# Altium PCB MAIN_BOARD_V3.PcbDoc (part 2 of 4) (continued)
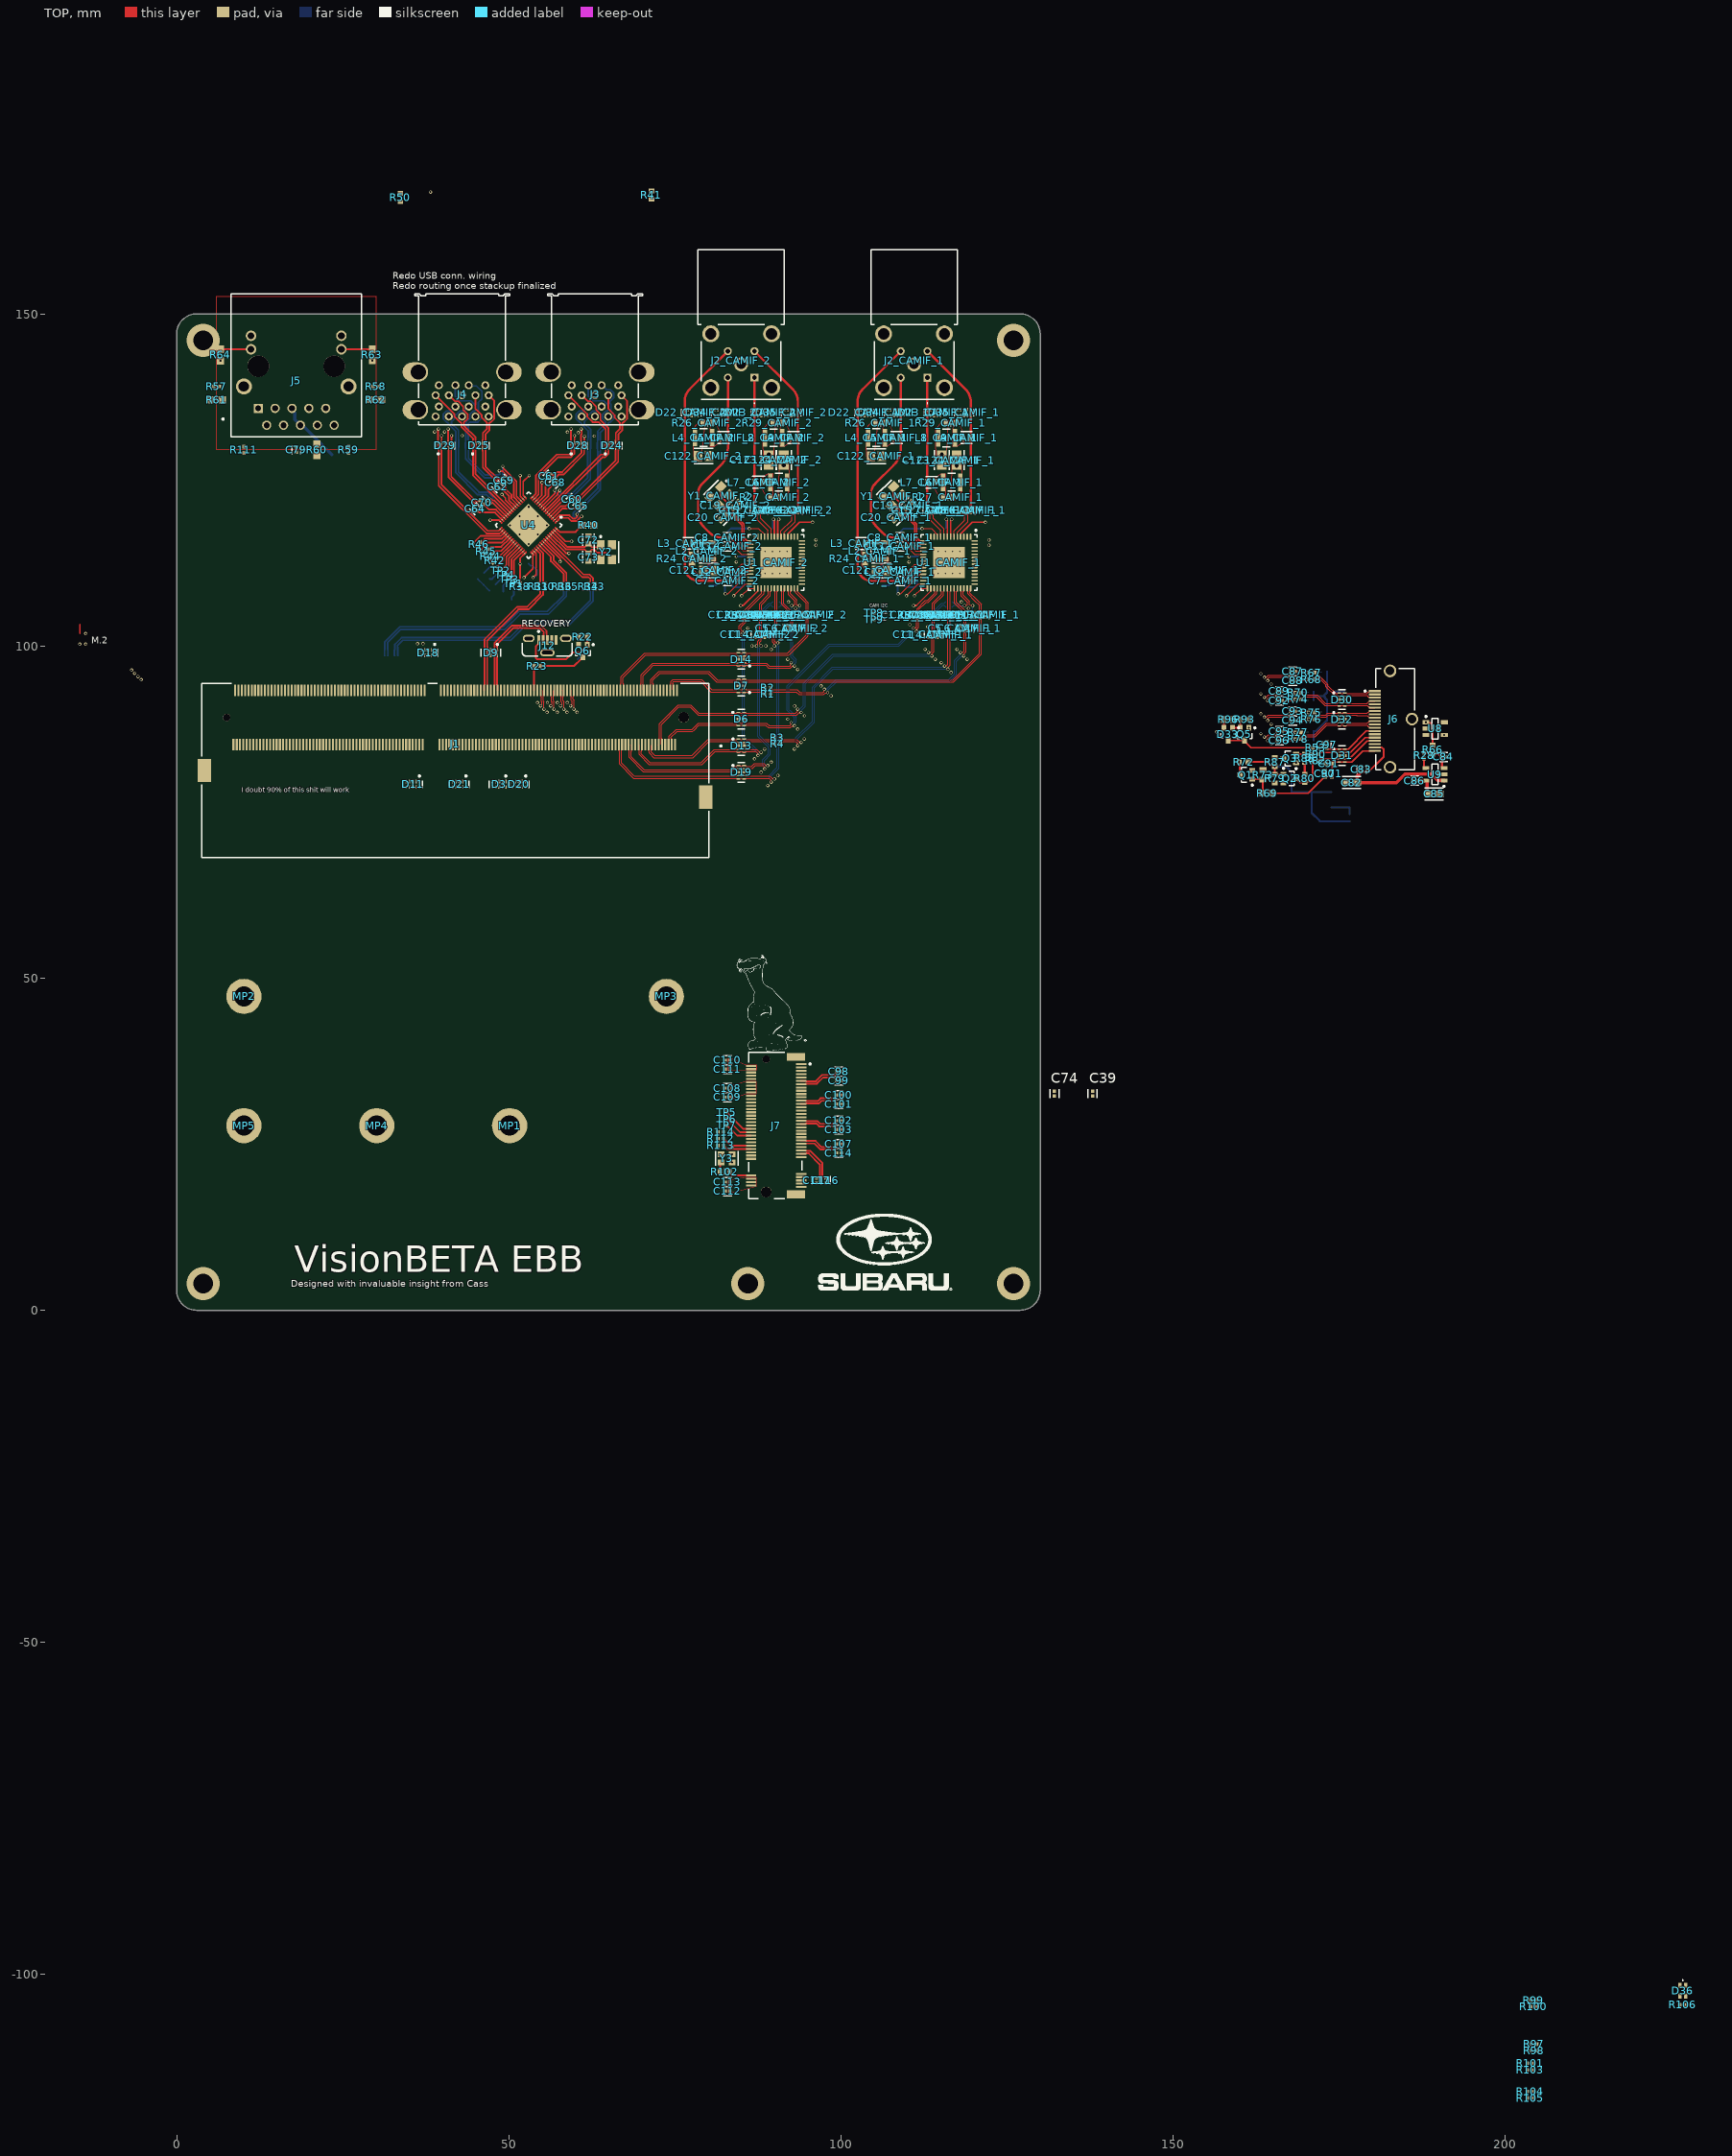
[diagram p0: TOP view]
## Footprints (in the part's own frame and the unit in brackets; to place one, negate y for a bottom-side part, rotate by r counter-clockwise, add the part's x,y. Pads: shape width x height; smd on the part's side, far side on the other; paste and mask are expansions set on the pad) (continued)
  TOP region: -2.313,-3.775 -2.313,-3.137 -2.304,-3.094 -2.28,-3.058 -2.243,-3.034 -2.2,-3.025 -2.2,-3.025 -2.157,-3.034 -2.12,-3.058 -2.096,-3.094 -2.088,-3.138 -2.087,-3.137 -2.087,-3.775
  TOP region: -2.712,-3.775 -2.712,-3.137 -2.704,-3.094 -2.68,-3.058 -2.643,-3.034 -2.6,-3.025 -2.6,-3.025 -2.557,-3.034 -2.52,-3.058 -2.496,-3.094 -2.488,-3.138 -2.488,-3.137 -2.488,-3.775
  TOP region: 3.775,2.488 3.137,2.488 3.094,2.496 3.058,2.52 3.034,2.557 3.025,2.6 3.025,2.6 3.034,2.643 3.058,2.68 3.094,2.704 3.138,2.712 3.137,2.712 3.775,2.712
  TOP region: 3.775,2.087 3.137,2.087 3.094,2.096 3.058,2.12 3.034,2.157 3.025,2.2 3.025,2.2 3.034,2.243 3.058,2.28 3.094,2.304 3.138,2.313 3.137,2.313 3.775,2.313
  TOP region: 3.775,1.687 3.137,1.687 3.094,1.696 3.058,1.72 3.034,1.757 3.025,1.8 3.025,1.8 3.034,1.843 3.058,1.88 3.094,1.904 3.138,1.912 3.138,1.913 3.775,1.913
  TOP region: 3.775,1.288 3.137,1.288 3.094,1.296 3.058,1.32 3.034,1.357 3.025,1.4 3.025,1.4 3.034,1.443 3.058,1.48 3.094,1.504 3.138,1.512 3.137,1.512 3.775,1.512
  TOP region: 3.775,0.887 3.137,0.887 3.094,0.896 3.058,0.92 3.034,0.957 3.025,1 3.025,1 3.034,1.043 3.058,1.08 3.094,1.104 3.137,1.112 3.138,1.112 3.775,1.112
  TOP region: 3.775,0.488 3.137,0.488 3.094,0.496 3.058,0.52 3.034,0.557 3.025,0.6 3.025,0.6 3.034,0.643 3.058,0.68 3.094,0.704 3.138,0.712 3.138,0.713 3.775,0.713
  TOP region: 3.775,0.088 3.138,0.088 3.094,0.096 3.058,0.12 3.034,0.157 3.025,0.2 3.025,0.2 3.034,0.243 3.058,0.28 3.094,0.304 3.137,0.312 3.138,0.312 3.775,0.312
  TOP region: 3.775,-0.312 3.138,-0.312 3.094,-0.304 3.058,-0.28 3.034,-0.243 3.025,-0.2 3.025,-0.2 3.034,-0.157 3.058,-0.12 3.094,-0.096 3.137,-0.088 3.138,-0.088 3.775,-0.088
  TOP region: 3.775,-0.713 3.138,-0.713 3.094,-0.704 3.058,-0.68 3.034,-0.643 3.025,-0.6 3.025,-0.6 3.034,-0.557 3.058,-0.52 3.094,-0.496 3.138,-0.488 3.137,-0.488 3.775,-0.488
  TOP region: 3.775,-1.112 3.138,-1.112 3.094,-1.104 3.058,-1.08 3.034,-1.043 3.025,-1 3.025,-1 3.034,-0.957 3.058,-0.92 3.094,-0.896 3.137,-0.888 3.137,-0.887 3.775,-0.887
  TOP region: 3.775,-1.512 3.137,-1.512 3.094,-1.504 3.058,-1.48 3.034,-1.443 3.025,-1.4 3.025,-1.4 3.034,-1.357 3.058,-1.32 3.094,-1.296 3.138,-1.288 3.137,-1.288 3.775,-1.288
  TOP region: 3.775,-1.913 3.138,-1.913 3.094,-1.904 3.058,-1.88 3.034,-1.843 3.025,-1.8 3.025,-1.8 3.034,-1.757 3.058,-1.72 3.094,-1.696 3.138,-1.687 3.137,-1.687 3.775,-1.687
  TOP region: 3.775,-2.313 3.137,-2.313 3.094,-2.304 3.058,-2.28 3.034,-2.243 3.025,-2.2 3.025,-2.2 3.034,-2.157 3.058,-2.12 3.094,-2.096 3.138,-2.088 3.137,-2.087 3.775,-2.087
  TOP region: 3.775,-2.712 3.137,-2.712 3.094,-2.704 3.058,-2.68 3.034,-2.643 3.025,-2.6 3.025,-2.6 3.034,-2.557 3.058,-2.52 3.094,-2.496 3.138,-2.488 3.137,-2.488 3.775,-2.488
  TOP region: -3.775,-2.488 -3.137,-2.488 -3.094,-2.496 -3.058,-2.52 -3.034,-2.557 -3.025,-2.6 -3.025,-2.6 -3.04,-2.656 -3.081,-2.697 -3.138,-2.712 -3.137,-2.712 -3.775,-2.712
  TOP region: -3.775,-2.087 -3.137,-2.087 -3.094,-2.096 -3.058,-2.12 -3.034,-2.157 -3.025,-2.2 -3.025,-2.2 -3.034,-2.243 -3.058,-2.28 -3.094,-2.304 -3.138,-2.313 -3.137,-2.313 -3.775,-2.313
  TOP region: -3.775,-1.687 -3.137,-1.687 -3.094,-1.696 -3.058,-1.72 -3.034,-1.757 -3.025,-1.8 -3.025,-1.8 -3.034,-1.843 -3.058,-1.88 -3.094,-1.904 -3.138,-1.912 -3.138,-1.913 -3.775,-1.913
  TOP region: -3.775,-1.288 -3.137,-1.288 -3.094,-1.296 -3.058,-1.32 -3.034,-1.357 -3.025,-1.4 -3.025,-1.4 -3.04,-1.456 -3.081,-1.497 -3.138,-1.512 -3.137,-1.512 -3.775,-1.512
  TOP region: -3.775,-0.887 -3.137,-0.887 -3.094,-0.896 -3.058,-0.92 -3.034,-0.957 -3.025,-1 -3.025,-1 -3.034,-1.043 -3.058,-1.08 -3.094,-1.104 -3.137,-1.112 -3.138,-1.112 -3.775,-1.112
  TOP region: -3.775,-0.488 -3.137,-0.488 -3.094,-0.496 -3.058,-0.52 -3.034,-0.557 -3.025,-0.6 -3.025,-0.6 -3.04,-0.656 -3.081,-0.697 -3.138,-0.712 -3.138,-0.713 -3.775,-0.713
  TOP region: -3.775,-0.088 -3.138,-0.088 -3.094,-0.096 -3.058,-0.12 -3.034,-0.157 -3.025,-0.2 -3.025,-0.2 -3.04,-0.256 -3.081,-0.297 -3.137,-0.312 -3.138,-0.312 -3.775,-0.312
  TOP region: -3.775,0.312 -3.138,0.312 -3.094,0.304 -3.058,0.28 -3.034,0.243 -3.025,0.2 -3.025,0.2 -3.034,0.157 -3.058,0.12 -3.094,0.096 -3.137,0.088 -3.138,0.088 -3.775,0.088
  TOP region: -3.775,0.713 -3.138,0.713 -3.094,0.704 -3.058,0.68 -3.034,0.643 -3.025,0.6 -3.025,0.6 -3.034,0.557 -3.058,0.52 -3.094,0.496 -3.138,0.488 -3.137,0.488 -3.775,0.488
  TOP region: -3.775,1.112 -3.138,1.112 -3.094,1.104 -3.058,1.08 -3.034,1.043 -3.025,1 -3.025,1 -3.034,0.957 -3.058,0.92 -3.094,0.896 -3.137,0.888 -3.137,0.887 -3.775,0.887
  TOP region: -3.775,1.512 -3.137,1.512 -3.094,1.504 -3.058,1.48 -3.034,1.443 -3.025,1.4 -3.025,1.4 -3.034,1.357 -3.058,1.32 -3.094,1.296 -3.138,1.288 -3.137,1.288 -3.775,1.288
  TOP region: -3.775,1.913 -3.138,1.913 -3.094,1.904 -3.058,1.88 -3.034,1.843 -3.025,1.8 -3.025,1.8 -3.034,1.757 -3.058,1.72 -3.094,1.696 -3.138,1.687 -3.137,1.687 -3.775,1.687
  TOP region: -3.775,2.313 -3.137,2.313 -3.094,2.304 -3.058,2.28 -3.034,2.243 -3.025,2.2 -3.025,2.2 -3.034,2.157 -3.058,2.12 -3.094,2.096 -3.138,2.088 -3.137,2.087 -3.775,2.087
  TOP region: -3.775,2.712 -3.137,2.712 -3.094,2.704 -3.058,2.68 -3.034,2.643 -3.025,2.6 -3.025,2.6 -3.034,2.557 -3.058,2.52 -3.094,2.496 -3.138,2.488 -3.137,2.488 -3.775,2.488
  silkscreen extent -4.45,-3.55 3.55,3.55, body extent -3.88,-3.88 3.88,3.88, height 0.25
KEMT-520-B-2_M [mm] "Molded Capacitor, 2-Leads, Body 3.7x3mm, IPC Low Density"
  rect 2.35x2.35 smd: 1(-1.475,0) 2(1.475,0)
  silkscreen extent -2.63,-1.5 1.85,1.85, body extent -1.85,-1.5 1.85,1.5, height 2.11
MOLX-105133-0001_V [mm] "Micro USB B, 5-Leads, Pitch 0.65mm"
  rect 0.45x1.5 smd: 1(-1.3,0.825) 2(-0.65,0.825) 3(0,0.825) 4(0.65,0.825) 5(1.3,0.825)
  oval 1.8x1.1 hole 0.5 slot 1.2 at 0 deg: 6(-2.8,1.075) 7(2.8,1.075)
  oval 2.2x1.1 hole 0.5 slot 1.6 at 0 deg: 8(0,-1.075)
  silkscreen extent -3.75,-1.56 3.75,2.25, body extent -4.02,-2.22 4,2.23, height 7.51
ONSC-SOT-323-3-419-04_V [mm] "SOT23, 3-Leads, Body 2x1.25mm, Pitch 0.65mm"
  rect 0.9x0.7 smd: 1(-0.95,0.65) 2(-0.95,-0.65) 3(0.95,0)
  silkscreen extent -1.07,-1.1 0.63,1.68, body extent -0.63,-1 0.63,1, height 1
QFN50P800X800X80_HS-57N [mm] "QFN, 56-Leads, Body 8,00x8,00mm, Pitch 0,50mm, Thermal Pad 4,70x4,70mm, IPC Medium Density"
  oval 0.95x0.25 smd: 1(-3.875,3.25) 2(-3.875,2.75) 3(-3.875,2.25) 4(-3.875,1.75) 5(-3.875,1.25) 6(-3.875,0.75) 7(-3.875,0.25) 8(-3.875,-0.25) 9(-3.875,-0.75) 10(-3.875,-1.25) 11(-3.875,-1.75) 12(-3.875,-2.25) 13(-3.875,-2.75) 14(-3.875,-3.25) 29(3.875,-3.25) 30(3.875,-2.75) 31(3.875,-2.25) 32(3.875,-1.75) 33(3.875,-1.25) 34(3.875,-0.75) 35(3.875,-0.25) 36(3.875,0.25) 37(3.875,0.75) 38(3.875,1.25) 39(3.875,1.75) 40(3.875,2.25) 41(3.875,2.75) 42(3.875,3.25)
  oval 0.25x0.95 smd: 15(-3.25,-3.875) 16(-2.75,-3.875) 17(-2.25,-3.875) 18(-1.75,-3.875) 19(-1.25,-3.875) 20(-0.75,-3.875) 21(-0.25,-3.875) 22(0.25,-3.875) 23(0.75,-3.875) 24(1.25,-3.875) 25(1.75,-3.875) 26(2.25,-3.875) 27(2.75,-3.875) 28(3.25,-3.875) 43(3.25,3.875) 44(2.75,3.875) 45(2.25,3.875) 46(1.75,3.875) 47(1.25,3.875) 48(0.75,3.875) 49(0.25,3.875) 50(-0.25,3.875) 51(-0.75,3.875) 52(-1.25,3.875) 53(-1.75,3.875) 54(-2.25,3.875) 55(-2.75,3.875) 56(-3.25,3.875)
  rect 4.7x4.7 smd: 57(0,0)
  silkscreen extent -4.97,-4.2 4.2,4.2, body extent -4.05,-4.05 4.05,4.05, height 0.8
RESC1005X40X25NL05T05 [mm] "Chip Resistor, 2-Leads, Body 1.00x0.50mm, IPC Medium Density"
  rect 0.55x0.55 smd: 1(-0.45,0) 2(0.45,0)
  body extent -0.53,-0.27 0.53,0.28, height 0.4
RESC1608X55X30LL15T15 [mm] "Chip Resistor, 2-Leads, Body 1.60x0.80mm, IPC High Density"
  rect 0.7x0.85 smd: 1(-0.625,0) 2(0.625,0)
  body extent -0.87,-0.48 0.87,0.48, height 0.55
RESC1608X55X30ML15T15 [mm] "Chip Resistor, 2-Leads, Body 1.60x0.80mm, IPC Low Density"
  rect 0.9x1.05 smd: 1(-0.725,0) 2(0.725,0)
  body extent -0.87,-0.48 0.87,0.48, height 0.55
RESC1608X55X30NL15T15 [mm] "Chip Resistor, 2-Leads, Body 1.60x0.80mm, IPC Medium Density"
  rect 0.8x0.95 smd: 1(-0.675,0) 2(0.675,0)
  body extent -0.87,-0.48 0.87,0.48, height 0.55
RESC1609X55X30LL15T15 [mm] "Chip Resistor, 2-Leads, Body 1.75x0.95mm, IPC High Density"
  rect 0.75x0.85 smd: 1(-0.65,0) 2(0.65,0)
  body extent -0.87,-0.48 0.87,0.48, height 0.55
RESC1609X55X30ML15T15 [mm] "Chip Resistor, 2-Leads, Body 1.75x0.95mm, IPC Low Density"
  rect 1.15x1.05 smd: 1(-0.85,0) 2(0.85,0)
  body extent -0.87,-0.48 0.87,0.48, height 0.55
SOT95P285X130-5N [mm] "SOT23, 5-Leads, Body 3,00x2,85mm, Pitch 0,95mm, IPC Medium Density"
  rect 1.05x0.6 smd: 1(-1.375,0.95) 2(-1.375,0) 3(-1.375,-0.95) 4(1.375,-0.95) 5(1.375,0.95)
  silkscreen extent -1.5,-1.55 0.45,1.92, body extent -0.85,-1.55 0.85,1.55, height 1.3
SOT-223_M [mm] "SOT223, 4-Leads, Body 6.5x3.5mm, Pitch 2.3mm, Lead Span 7mm, IPC Low Density"
  rect 2.7x1 smd: 1(-2.95,2.3) 2(-2.95,0) 3(-2.95,-2.3)
  rect 2.7x3.3 smd: 4(2.95,0)
  silkscreen extent -3.07,-3.35 1.3,3.47, body extent -1.85,-3.35 1.85,3.35, height 1.8
TP06R [mm] "Testpoint, round, d=0.6mm"
  round 0.6 smd paste-1: 1(0,0)
WL-SBCD_0606 [mm] "SMT Bi-color Chip LED Diffuesed, body 1.5x1.6mm"
  rect 0.5x0.8 smd: 1(-0.45,0.8) 2(-0.45,-0.8) 3(0.45,-0.8) 4(0.45,0.8)
  silkscreen extent -0.07,1.48 0.08,1.62, body extent -0.75,-0.8 0.75,0.8, height 0.55

## Part data
C1_CAMIF_1 C1_CAMIF_2 C2_CAMIF_1 C2_CAMIF_2 C3_CAMIF_1 C3_CAMIF_2 C4_CAMIF_1 C4_CAMIF_2 C5_CAMIF_1 C5_CAMIF_2 C6_CAMIF_1 C6_CAMIF_2 C7_CAMIF_1 C7_CAMIF_2 C8_CAMIF_1 C8_CAMIF_2 C9_CAMIF_1 C9_CAMIF_2 C10_CAMIF_1 C10_CAMIF_2 C11_CAMIF_1 C11_CAMIF_2 C12_CAMIF_1 C12_CAMIF_2 C13_CAMIF_1 C13_CAMIF_2 C14_CAMIF_1 C14_CAMIF_2 C15_CAMIF_1 C15_CAMIF_2 C16_CAMIF_1 C16_CAMIF_2 C17_CAMIF_1 C17_CAMIF_2 C18_CAMIF_1 C18_CAMIF_2 C22_CAMIF_1 C22_CAMIF_2 C24_CAMIF_1 C24_CAMIF_2 C26_CAMIF_1 C26_CAMIF_2 C28_CAMIF_1 C28_CAMIF_2 C38 C39 C42_CAMIF_1 C42_CAMIF_2 C43_CAMIF_1 C43_CAMIF_2 C44 C45 C46 C47 C48 C50 C51 C52 C53 C54 C55 C56 C57 C58 C60 C61 C62 C64 C65 C66 C67 C68 C69 C70 C74 C78 C79 C80 C81 C83 C84 C86 C87 C88 C89 C92 C93 C94 C95 C96 C108 C109 C110 C111 C112 C113 C115 C119 C125: library part CMP-2000-05393-2, "Multilayer Ceramic Capacitors 100nF ±10% 50V X7R SMD 0402", Capacitance=100nF, Case Code (Imperial)=0402, Case Code (Metric)=1005, Dielectric=X7R, Dielectric Material=Ceramic, Max Operating Temperature=125°C, Min Operating Temperature=-55°C, Package Quantity=1, Tolerance=10%, Voltage=50V, Case/Package=0402, Construction=Flat, Depth=0.5mm, Height=0.5mm, Lead Free="Lead Free", Length=1mm, Mount="Surface Mount", Packaging="Tape and Reel", Radiation Hardening=No, REACH SVHC="No SVHC", Resistor Type=Ceramic, RoHS Compliant=Yes, Series=C, Termination=SMD/SMT, Thickness=0.022inch, Voltage Rating=50V, Voltage Rating (DC)=50V, Weight=2.3E-05oz, Width=0.02inch
C19_CAMIF_1 C19_CAMIF_2 C20_CAMIF_1 C20_CAMIF_2 C72 C73: library part CMP-1035-00914-3, "CAP CER 30PF 50V 5% NP0 0603", Capacitance="30 pF", Manufacturer=KEMET, Package=C0603C-CF, Temperature="-55°C to +125°C", Temperature Characteristic=C0G, Temperature Coefficient=30ppm/°C, Temperature Range High=+125°C, Temperature Range Low=-55°C, Tolerance=0.05, Voltage Rating="50 V", Automotive=Yes, Automotive Grade="Grade 1", Category=Cap, ComponentLink2Description=Datasheet, ComponentLink2URL=https://api.kemet.com/component-edge/download/datasheet/C0603C100J5GACAUTO.pdf, Device Class L1="Passive Components", Device Class L2=Capacitors, Device Class L3="Ceramic Capacitors", Digikey Description="CAP CER 30PF 50V 5% NP0 0603", Height=0.87mm, Lead Free=Yes, Manufacturer Part Number=C0603C300J5GACTU, Material=Ceramic, Mouser Description="Multilayer Ceramic Capacitors MLCC - SMD/SMT 50volts 30pF C0G 5%", Octopart=https://octopart.com/c0603c300j5gactu-kemet-199455, RoHS=TRUE
C21_CAMIF_1 C21_CAMIF_2 C23_CAMIF_1 C23_CAMIF_2 C25_CAMIF_1 C25_CAMIF_2 C27_CAMIF_1 C27_CAMIF_2 C29_CAMIF_1 C29_CAMIF_2 C31_CAMIF_1 C31_CAMIF_2 C33_CAMIF_1 C33_CAMIF_2 C35_CAMIF_1 C35_CAMIF_2: library part CMP-13271-000002-1, "CAP CER 10UF 10V X5R 0402", Capacitance=10uF, Manufacturer=Samsung, Temperature="-55°C to +85°C", Temperature Characteristic=X5R, Temperature Coefficient=15%, Temperature Range High=+85°C, Temperature Range Low=-55°C, Tolerance=20%, Voltage Rating=10V, Automotive=No, Category=Cap, ComponentLink2Description=Datasheet, ComponentLink2URL=http://www.samsungsem.com/kr/support/product-search/mlcc/__icsFiles/afieldfile/2019/05/10/19-CL05A106MP5NUNC.pdf, Device Class L1="Passive Components", Device Class L2=Capacitors, Device Class L3="Ceramic Capacitors", Digikey Description="CAP CER 10UF 10V X5R 0402", Height=0.7mm, Ipc Land Pattern Name=CAPC10050X50, Lead Free=Yes, Manufacturer Part Number=CL05A106MP5NUNC, Material=Ceramic, Octopart=https://octopart.com/cl05a106mp5nunc-samsung-22457395, Package=CL05A106MP5NUNC, RoHS=TRUE
C30_CAMIF_1 C30_CAMIF_2 C32_CAMIF_1 C32_CAMIF_2 C34_CAMIF_1 C34_CAMIF_2 C36_CAMIF_1 C36_CAMIF_2: library part CMP-1034-01887-3, "CAP CER 10000PF 50V 20% X7R 0402", Capacitance="10,000 pF", Manufacturer=Kemet, Package=C0402-BB, Temperature="-55°C to +125°C", Temperature Characteristic=X7R, Temperature Coefficient=15%, Temperature Range High=+125°C, Temperature Range Low=-55°C, Tolerance=0.2, Voltage Rating="50 V", Automotive=No, Category=Cap, ComponentLink2Description=Datasheet, ComponentLink2URL=https://content.kemet.com/datasheets/KEM_C1002_X7R_SMD.pdf, Device Class L1="Passive Components", Device Class L2=Capacitors, Device Class L3="Ceramic Capacitors", Digikey Description="CAP CER 10000PF 50V 20% X7R 0402", Height=0.55mm, Ipc Land Pattern Name=CAPC10050X50, Lead Free=Yes, Manufacturer Part Number=C0402C103M5RACTU, Material=Ceramic, Mouser Description="Cap Ceramic 0.01uF 50V X7R 20% SMD 1.0 x 0.5 mm 125 C Paper T/R", Octopart=https://octopart.com/c0402c103m5ractu-kemet-17125571, RoHS=TRUE
C37 C40_CAMIF_1 C40_CAMIF_2 C41_CAMIF_1 C41_CAMIF_2 C59 C71 C77 C82 C85 C104 C105 C106: library part CMP-2006-02792-2, "Chip Multilayer Ceramic Capacitors for General Purpose, 0603, 10uF, X5R, 15%, 20%, 6.3V", Capacitance=10uF, Case Code (Imperial)=0603, Case Code (Metric)=1608, Dielectric=X5R, Max Operating Temperature=85°C, Min Operating Temperature=-55°C, Package Quantity=4000, Tolerance=20%, Voltage=6.3V, Case/Package=0603, Depth=0.8mm, Height=0.8mm, Lead Free="Lead Free", Length=1.6mm, Material=Ceramic, Mount="Surface Mount", Packaging="Tape and Reel", Radiation Hardening=No, REACH SVHC="No SVHC", Termination=SMD/SMT, Thickness=0.035inch, Voltage Rating=6.3V, Voltage Rating (DC)=6.3V, Width=0.031inch
C49 C63 C118: library part CMP-1664-00002-2, "Tantalum Capacitor, 330 uF, +/- 20%, 2.5 V, -55 to 105 degC, 2-Pin Molded, RoHS, Tape and Reel", Capacitance="330 uF", Case/Package=1411, Max Operating Temperature="105 degC", Min Operating Temperature="-55 degC", Package Quantity=2000, ComponentLink1Description="Manufacturer URL", ComponentLink1URL=http://www.kemet.com/, ComponentLink2Description=Datasheet, ComponentLink2URL=http://capacitoredge.kemet.com/capedge2/DataSheet?pn=T520B337M2R5ATE045, DatasheetVersion=07/2016, Height="2.1 mm", Length="3.5 mm", Mount="Surface Mount", Mounting Technology="Surface Mount", PackageDescription="2-Pin Surface Mount Device, Body 3.5 x 2.8 mm", Packaging="Tape and Reel", PartNumber=T520B337M2R5ATE045, Radiation Hardening=No, RoHSCompliant=True, Width="2.8 mm"
C90 C91: library part CMP-2008-03137-2, Manufacturer=Kemet, Part Number=C0402C221K5RAC7867
C97: library part CMP-2008-03945-2, "CAP CER 12PF 50V C0G/NP0 0402", Capacitance=12pF, Case Code (Imperial)=0402, Case Code (Metric)=1005, Dielectric=C0G, Max Operating Temperature=125°C, Min Operating Temperature=-55°C, Package Quantity=10000, Tolerance=2%, Voltage=50V, Case/Package=0402, Construction=Flat, Depth=0.5mm, Height=0.5mm, Lead Free="Lead Free", Length=1mm, Material=Ceramic, Mount="Surface Mount", Packaging="Tape and Reel", Radiation Hardening=No, REACH SVHC="No SVHC", Series=GRM, Termination=SMD/SMT, Thickness=0.022inch, Voltage Rating=50V, Voltage Rating (DC)=50V, Width=0.5mm
C98 C99 C100 C101 C102 C103 C107 C114 C116 C117: library part CMP-08246-006072-1, "Multilayer Ceramic Capacitors 220nF ±10% 10V X7R SMD 0402", Capacitance=220nF, Case Code (Imperial)=0402, Case Code (Metric)=1005, Dielectric=X7R, Dielectric Material=Ceramic, Max Operating Temperature=125°C, Min Operating Temperature=-55°C, Package Quantity=10000, Tolerance=10%, Voltage Rating=10V, Case/Package=0402, Construction=Flat, Depth=0.5mm, Height=0.5mm, Lead Free="Lead Free", Length=1mm, Mount="Surface Mount", Packaging="Tape and Reel", Radiation Hardening=No, REACH SVHC="No SVHC", Resistor Type=Ceramic, RoHS Compliant=Yes, Series=C, Termination=SMD/SMT, Thickness=0.022inch, Voltage Rating (DC)=10V, Weight=2.3E-05oz, Width=0.02inch
C121_CAMIF_1 C121_CAMIF_2 C122_CAMIF_1 C122_CAMIF_2 C123_CAMIF_1 C123_CAMIF_2 C124_CAMIF_1 C124_CAMIF_2: library part CMP-2007-03222-3, "Chip Multilayer Ceramic Capacitors for General Purpose, 0805, 22uF, X5R, 15%, 20%, 25V", Capacitance=22uF, Case Code (Imperial)=0805, Case Code (Metric)=2012, Dielectric=X5R, Max Operating Temperature=85°C, Min Operating Temperature=-55°C, Package Quantity=3000, Resistor Type=Ceramic, Tolerance=20%, Voltage=25V, Case/Package=0805, Depth=1.25mm, Height=1.25mm, Lead Free="Lead Free", Length=2mm, Material=Ceramic, Mount="Surface Mount", Packaging="Tape and Reel", REACH SVHC="No SVHC", Termination=SMD/SMT, Thickness=0.057inch, Voltage Rating=25V, Voltage Rating (DC)=25V, Weight=0.000335oz, Width=1.25mm
D1 D2 D3 D4 D5 D9 D10 D11 D12 D16 D17 D18 D21 D24 D25 D26 D27 D28 D29 D30 D31 D32: library part CMP-04989-000002-1, "4-CHANNEL LOW-CAPACITANCE SURGE", Ambient Temperature Range High=+125°C, Ambient Temperature Range Low=-40°C, Breakdown Voltage=5.5V, Capacitance=0.55pF, Clamping Voltage=11.5V, Manufacturer="Texas Instruments", Manufacturer Part Number=ESD204DQAR, Package=DQA0010A, Peak Pulse Current=5.5A, Peak Pulse Power=50W, Reverse Standoff Voltage=3.6V, Temperature="-40°C to +125°C", Automotive=No, Category=Diode, ComponentLink2Description=Datasheet, ComponentLink2URL=http://www.ti.com/lit/ds/symlink/esd204.pdf, Device Class L1="Circuit Protection", Device Class L2="TVS Diodes", Device Class L3=unset, Digikey Description="4-CHANNEL LOW-CAPACITANCE SURGE", Direction=Bidirectional, Height=0.55mm, Lead Free=Yes, Mouser Description="4-Channel Low-Capacitance Surge and ESD Protection Diode 10-USON -40 to 125", Number Of Channels=4, Octopart=https://octopart.com/esd204dqar-texas+instruments-89917476, RoHS=TRUE, Standoff Height=0mm, Temperature Range High=+125°C, Temperature Range Low=-40°C
D6 D7 D8 D13 D14 D15 D19 D20 D22_CAMIF_1 D22_CAMIF_2 D23_CAMIF_1 D23_CAMIF_2 D34_CAMIF_1 D34_CAMIF_2 D35_CAMIF_1 D35_CAMIF_2: library part CMP-04989-000002-1, "4-CHANNEL LOW-CAPACITANCE SURGE", Ambient Temperature Range High=+125°C, Ambient Temperature Range Low=-40°C, Breakdown Voltage=5.5V, Capacitance=0.55pF, Clamping Voltage=11.5V, Manufacturer="Texas Instruments", Package=DQA0010A, Peak Pulse Current=5.5A, Peak Pulse Power=50W, Reverse Standoff Voltage=3.6V, Temperature="-40°C to +125°C", Automotive=No, Category=Diode, ComponentLink2Description=Datasheet, ComponentLink2URL=http://www.ti.com/lit/ds/symlink/esd204.pdf, Device Class L1="Circuit Protection", Device Class L2="TVS Diodes", Device Class L3=unset, Digikey Description="4-CHANNEL LOW-CAPACITANCE SURGE", Direction=Bidirectional, Height=0.55mm, Lead Free=Yes, Manufacturer Part Number=ESD204DQAR, Mouser Description="4-Channel Low-Capacitance Surge and ESD Protection Diode 10-USON -40 to 125", Number Of Channels=4, Octopart=https://octopart.com/esd204dqar-texas+instruments-89917476, RoHS=TRUE, Standoff Height=0mm, Temperature Range High=+125°C, Temperature Range Low=-40°C
D33: library part CMP-1055-00557-1, "Dual Series Cathode Schottky Barrier Diodes, 3-Pin SOT-323, Pb-Free, Tape and Reel", Manufacturer="On Semiconductor", ComponentLink1Description="Manufacturer URL", ComponentLink1URL=http://www.onsemi.com/, ComponentLink2Description=Datasheet, ComponentLink2URL=http://www.onsemi.cn/pub_link/Collateral/BAT54CWT1-D.PDF, ComponentLink3Description="Package Specification", ComponentLink3URL=http://www.onsemi.com/pub_link/Collateral/419-04.PDF, Configuration="Common Cathode", DatasheetVersion="Rev. 7", IFSM Max (A)=0.6, Mounting Technology="Surface Mount", PackageDescription="3-Pin Small Outline Transistor, Body 2 x 1.25 mm, Pitch 0.65 mm", PackageReference=SOT-323-3-419-04, PackageVersion="Rev. N, 11/2008", Packing="Tape and Reel", PartNumber=BAT54CWT1G, RoHS=TRUE, trr Max (ns)=5
D36: library part CMP-004-00034-2, "Led, Red/Grn, 180Mcd/230Mcd, 624Nm/525Nm Rohs Compliant: Yes"
FB1 FB2 FB3 FB4 FB5 FB6 FB7 FB8: library part CMP-0686-00252-4, "Chip Ferrite Bead, 0402, 600Ω @ 100MHz, 0.23Ω, 25%, 900mA", Case Code (Imperial)=0402, Case Code (Metric)=1005, Current Rating=900mA, DC Resistance (DCR)=230mR, Max Operating Temperature=125°C, Min Operating Temperature=-55°C, Package Quantity=10000, Test Frequency=100MHz, Tolerance=25%, Case/Package=0402, Height=0.5mm, Impedance=600R, Lead Free="Lead Free", Length=1mm, Material=Steel, Max Current Rating=900mA, Max DC Current=900mA, Number of Circuits=1, Number of Lines=1, Number of Pins=2, Packaging="Tape and Reel", Termination=SMD/SMT, Width=0.5mm
J1: library part CMP-03356-000001-1, "DDR4 SODIMM 260P 9.2H STD", Current Rating=0.5A, Manufacturer="TE Connectivity", Package=0, Temperature="-55°C to +85°C", Temperature Range High=+85°C, Temperature Range Low=-55°C, Voltage Rating=25V, Automotive=No, Category=Conn, ComponentLink2Description=Datasheet, ComponentLink2URL=https://www.te.com/commerce/DocumentDelivery/DDEController?Action=showdoc&DocId=Specification+Or+Standard%7F108-115122%7FA1%7Fpdf%7FEnglish%7FENG_SS_108-115122_A1.pdf%7F2309413-1, Conn Orientation=Horizontal, Contact Material=Gold,Nickel, Device Class L1=Connectors, Device Class L2="Memory Connectors", Device Class L3=unset, Digikey Description="DDR4 SODIMM 260P 9.2H STD", Footprint Url=https://www.te.com/commerce/DocumentDelivery/DDEController?Action=showdoc&DocId=Customer+Drawing%7F2309413%7F4%7Fpdf%7FEnglish%7FENG_CD_2309413_4.pdf%7F2309413-1, Height=18.8mm, Is Female=yes, Lead Free=Yes, Manufacturer Part Number=2309413-1, Memory Type=SDRAM,DDR, Mouser Description="Conn DDR4 DIMM Socket SKT 260 POS 0.5mm Solder RA SMD T/R", Number Of Contacts=260, Octopart=https://octopart.com/2309413-1-te+connectivity-84799194, Pitch=0.5mm, RoHS=TRUE
J2_CAMIF_1 J2_CAMIF_2: library part CMP-002-00085-1, "Connector RF Mini-FAKRA Plug 9GHz 50Ohm Solder Right Angle Through Hole"
J3 J4: library part CMP-1502-03222-3, Color=Blue, Contact Resistance=50mΩ, Current Rating=1.8A, Flammability Rating="UL94 V-0", Insulation Resistance=100MΩ, Max Operating Temperature=85°C, Min Operating Temperature=-40°C, Operating Supply Voltage=30V, Connector Type=USB, Contact Material="Bronze, Gold, Nickel", Contact Plating=Gold, Features=Shielded, Gender=Receptacle, Height=16.335mm, Lead Free="Lead Free", Length=15.59mm, Mount="Horizontal, Through Hole", NexarPartId=19667819, Number Of Contacts=18, Number of Pins=18, Number of Ports=2, Orientation="Right Angle", REACH SVHC=Unknown, RoHS=Compliant, Termination="Through Hole", Usb Standard="USB 3.0", Voltage Rating=30V, Voltage Rating (AC)=30V, Width=19.7mm
J5: library part CMP-27893-000001-1, "RJ45 JACK W/MAG 1X1 1000BASE-T", Manufacturer=Abracon, Package=0, Temperature="-40°C to +85°C", Temperature Range High=+85°C, Temperature Range Low=-40°C, Automotive=No, Category=Conn, ComponentLink2Description=Datasheet, ComponentLink2URL=https://abracon.com/Magnetics/ARJM11.pdf, Conn Gender=Female, Conn Orientation="Right Angle", Contact Material=Gold, Device Class L1=Connectors, Device Class L2="Modular / Ethernet Connectors", Device Class L3=unset, Digikey Description="RJ45 JACK W/MAG 1X1 1000BASE-T", Height=15.8mm, Is Female=yes, Lead Free=Yes, Manufacturer Part Number=ARJM11C7-502-AB-ER2-T, Number Of Contacts=10, Octopart=https://octopart.com/arjm11c7-502-ab-er2-t-abracon-86945316, Pitch=1.27mm, RoHS=TRUE, Shielding=true
J6: library part CMP-04768-000010-1, "HDMI REC.VERTICAL SMT TYPE W/HEI", RoHS Compliant=Yes
J7: library part CMP-03365-000001-1, "CONN EDGE DUAL FMALE 67POS 0.020", Current Rating=0.5A, Manufacturer=TE, Temperature="-40°C to +80°C", Temperature Range High=+80°C, Temperature Range Low=-40°C, Voltage Rating=50V, Automotive=No, Category=Conn, ComponentLink2Description=Datasheet, ComponentLink2URL=http://www.te.com/commerce/DocumentDelivery/DDEController?Action=showdoc&DocId=Specification+Or+Standard%7F114-115006%7FB%7Fpdf%7FEnglish%7FENG_SS_114-115006_B_114-115006_REV_B.pdf%7F1-2199230-6, Conn Gender=Female, Conn Orientation="Right Angle", Contact Material=Gold,Tin, Device Class L1=Connectors, Device Class L2="Card Edge Connectors", Device Class L3=unset, Digikey Description="CONN EDGE DUAL FMALE 67POS 0.020", Footprint Url=http://www.te.com/commerce/DocumentDelivery/DDEController?Action=showdoc&DocId=Customer+Drawing%7F2199230%7FB2%7Fpdf%7FEnglish%7FENG_CD_2199230_B2.pdf%7F1-2199230-6, Height=4.2mm, Is Female=yes, Lead Free=Yes, Manufacturer Part Number=1-2199230-6, Number Of Contacts=67, Number Of Rows=2, Octopart=https://octopart.com/1-2199230-6-te+connectivity-34969376, Package=1-2199230-6, Pitch=0.5mm, RoHS=TRUE
J12: library part CMP-2000-05829-1, "Micro-USB B Receptacle, Vertical, -30 to 85 degC, 5-Pin SMD, RoHS, Tape and Reel", Color=Black, Current Rating=1.8A, Flammability Rating=UL94V-0, Manufacturer=Molex, Package Description="5-Pin Surface Mount Device, Pitch 0.65 mm", Package Version="Rev. C, 11/2015", Voltage - Max=30V, Voltage Rating=30VAC, Brand=Molex, Connector Type=MicroUSBTypeBReceptacle, Contact Material=CopperAlloy, Contact Plating=Gold, Datasheet URL=http://www.molex.com/webdocs/datasheets/pdf/en-us/1051330001_IO_CONNECTORS.pdf, Datasheet Version=03/2016, Factory Pack Quantity=6000, Gender=Receptacle, Manufacturer URL=http://www.molex.com/, Mounting Angle=Vertical, Mounting Style=SMD/SMT, Mounting Technology=SurfaceMount, Number of Ports=1, Package Reference=105133-0001, Package URL=http://www.molex.com/pdm_docs/sd/1051330001_sd.pdf, Packaging=Reel, PartNumber=105133-0001, Product=MicroUSBTypeBConnectors, Product Category=USBConnectors, RoHS=Details, Series=105133, Standard=USB, Termination Style=SolderTail
L2_CAMIF_1 L2_CAMIF_2 L4_CAMIF_1 L4_CAMIF_2 L6_CAMIF_1 L6_CAMIF_2 L8_CAMIF_1 L8_CAMIF_2: library part CMP-11268-000041-1, "NOT COILCRAFT - ACTUAL P# --> ADL32VHC-220M /  - Power Injection Chokes for PoC", Ambient Temperature Range High=+125°C, Ambient Temperature Range Low=-40°C, Inductance=22uH, Manufacturer=coilcraft, Manufacturer Part Number=1210POC-223MRC, Package=1210POC, Rms Current=700mA, Saturation Current=720mA, Self Resonant Frequency=70MHz, Series Resistance=0.88Ω, Test Frequency=100kHz, Tolerance=20%, Automotive=Yes, Automotive Grade="Grade 1", Category=Ind, ComponentLink2Description=Datasheet, ComponentLink2URL=https://drive.google.com/open?id=15FlOq8Y4YbRFohfA_cJ40jgnqs8va2Mh, Core Material=Ferrite, Device Class L1="Passive Components", Device Class L2=Inductors, Device Class L3="Fixed Inductors", Height=3mm, Lead Free=Yes, Octopart=https://octopart.com/1210poc-223mrc-coilcraft-103207315, RoHS=TRUE
L3_CAMIF_1 L3_CAMIF_2 L5_CAMIF_1 L5_CAMIF_2 L7_CAMIF_1 L7_CAMIF_2 L9_CAMIF_1 L9_CAMIF_2: library part CMP-11268-000007-1, "Fixed Inductors PFL1609 Low Profile 0.56 uH 20 % 1.4 A", Ambient Temperature Range High=+105°C, Ambient Temperature Range Low=-40°C, Inductance=0.56uH, Manufacturer=coilcraft, Package=PFL1609, Rms Current=1100mA, Saturation Current=710mA, Self Resonant Frequency=600MHz, Series Resistance=130mΩ, Test Frequency=7.9MHz, Tolerance=20%, Automotive=Yes, Automotive Grade="Grade 1", Category=Ind, ComponentLink2Description=Datasheet, ComponentLink2URL=https://www.coilcraft.com/pdfs/pfl1609.pdf, Composition=Wirewound, Core Material=Composite, Device Class L1="Passive Components", Device Class L2=Inductors, Device Class L3="Fixed Inductors", Height=0.95mm, Lead Free=Yes, Manufacturer Part Number=PFL1609-561MEW, Mouser Description="Fixed Inductors PFL1609 Low Profile 0.56 uH 20 % 1.4 A", Octopart=https://octopart.com/pfl1609-561mew-coilcraft-20329171, RoHS=TRUE, Shielding=true
MP1 MP2 MP3 MP4 MP5: library part CMP-03913-59774857-1, "9774025243R Spacer Material: Steel, Tin-Plated Mounting: SMT Series: WA-SMST Thread D: M2", Max Operating Temperature=150°C, Min Operating Temperature=-55°C, Height=2.5mm, Length=2.5mm, Material=Steel, NexarPartId=59774857, Outside Diameter=4.3434mm, Packaging="Tape and Reel", Plating=Tin, REACH SVHC=Unknown, RoHS=Compliant, Threaded/Unthreaded=Threaded
Q1 Q2 Q3 Q4 Q5 Q6: library part CMP-2000-05968-1, "N-Channel Enhancement Mode Mosfet, 50 V, 200 mA, -55 to 150 degC, 6-Pin SOT-323, RoHS, Tape and Reel", Id - Continuous Drain Current=200mA, Manufacturer=DiodesIncorporated, Maximum Operating Temperature=+150C, Minimum Operating Temperature=-55C, Package / Case=SOT-323-3, Package Description="3-Pin Small Outline Transistor, Body 2 x 1.25 mm, Pitch 0.65 mm", Package Reference=SOT323, Pd - Power Dissipation=200mW, Rds On - Drain-Source Resistance=1.4Ohms, Vds - Drain-Source Breakdown Voltage=75V, Vgs - Gate-Source Voltage=20V, Brand=DiodesIncorporated, Channel Mode=Enhancement, Configuration=Single, Datasheet URL=http://www.diodes.com/_files/datasheets/ds30206.pdf, Datasheet Version="Rev. 11-2, 09/2013", Factory Pack Quantity=3000, Forward Transconductance - Min=0.1S, Height=1mm, Length=2.2mm, Manufacturer URL=http://www.diodes.com/, Mounting Style=SMD/SMT, Mounting Technology=SurfaceMount, Number Of Channels=1Channel, Packaging=Reel, Product=MOSFETSmallSignal, Product Category=MOSFET, RoHS=True, Series=BSS138, Technology=Si, Transistor Polarity=N-Channel, Transistor Type=1N-Channel, Type=EnhancementModeFieldEffectTransistor, Typical Turn-Off Delay Time=20ns, Typical Turn-On Delay Time=20ns, Unit Weight=0.000212oz, Width=1.35mm
R1 R2 R3 R4 R5_CAMIF_1 R5_CAMIF_2 R6_CAMIF_1 R6_CAMIF_2 R7_CAMIF_1 R7_CAMIF_2 R8_CAMIF_1 R8_CAMIF_2 R14_CAMIF_1 R14_CAMIF_2 R23 R28 R30 R31 R33 R34 R35 R36 R38 R42 R44 R45 R46 R53 R54 R55 R57 R58 R59 R67 R68 R70 R71 R74 R75 R76 R77 R78 R82 R90 R97 R98 R99 R100 R101 R103 R104 R105 R106 R108 R109 R111 R112 R113 R114: library part CMP-009-00206-2, "READ THE NAME"
R9_CAMIF_1 R9_CAMIF_2 R17_CAMIF_1 R17_CAMIF_2 R21_CAMIF_1 R21_CAMIF_2 R22 R32 R37 R39 R43 R48 R51 R52 R66 R72 R79 R87 R95: library part CMP-1012-00623-3, "Chip Resistor, 10 KOhm, +/- 1%, 0.1 W, -55 to 155 degC, 0603 (1608 Metric), RoHS, Tape and Reel", Case Code (Imperial)=0603, Case Code (Metric)=1608, Manufacturer=Panasonic, Max Operating Temperature=155degC, Max Power Dissipation=100mW, Min Operating Temperature=-55degC, Package Description="2-Pin Surface Mount Device, Body 1.6 x 0.85 mm", Package Quantity=1, Package Reference=603, Resistance=10KOhm, Temperature Coefficient=100ppm\/degreesC, Tolerance=1%, Voltage Rating=75V, Case\/Package=0603, Composition=ThickFilm, Contact Plating=Tin, Datasheet URL=https://industrial.panasonic.com/cdbs/www-data/pdf/RDA0000/AOA0000C304.pdf, Datasheet Version=02/2017, Depth=0.8mm, Height=0.45mm, Lead Free=LeadFree, Length=1.6mm, Manufacturer URL=http://www.panasonic.com/, Military Standard=Not, Mount=SurfaceMount, Mounting Technology=SurfaceMount, Number of Pins=2, Number of Terminations=2, Packaging=TapeandReel, Power Rating=100mW, Radiation Hardening=No, REACH SVHC=NoSVHC, RoHSCompliant=true, Termination=SMD/SMT, Voltage Rating (DC)=75V, Width=0.031inch
R10_CAMIF_1 R10_CAMIF_2 R11_CAMIF_1 R11_CAMIF_2 R18_CAMIF_1 R18_CAMIF_2 R19_CAMIF_1 R19_CAMIF_2: library part CMP-2000-00538-1, Manufacturer=Panasonic, Part Number=ERJ-3EKF49R9V
R12_CAMIF_1 R12_CAMIF_2 R13_CAMIF_1 R13_CAMIF_2: library part CMP-2000-00651-1, Manufacturer=Panasonic, Part Number=ERJ-3EKF8062V
R15_CAMIF_1 R15_CAMIF_2 R16_CAMIF_1 R16_CAMIF_2: library part CMP-2000-00323-1, Manufacturer=Panasonic, Part Number=ERJ-3EKF2052V
R20_CAMIF_1 R20_CAMIF_2: library part CMP-2000-00484-1, Manufacturer=Panasonic, Part Number=ERJ-3EKF4020V
R24_CAMIF_1 R24_CAMIF_2 R26_CAMIF_1 R26_CAMIF_2 R27_CAMIF_1 R27_CAMIF_2 R29_CAMIF_1 R29_CAMIF_2: library part CMP-2000-00540-8, "RES SMD 5.1K OHM 1% 1/10W 0603", Case Code (Imperial)=0603, Case Code (Metric)=1608, Max Operating Temperature=155°C, Max Power Dissipation=100mW, Min Operating Temperature=-55°C, Package Quantity=1, Resistance=5.1kR, Resistance Tolerance=1%, Resistor Type="Thick Film", Temperature Coefficient=100ppm/°C, Voltage Rating=75V, Case/Package=0603, Construction=Rectangular, Contact Plating=Tin, Depth=0.8mm, Features="Automotive AEC-Q200", Height=0.022inch, Lead Free="Lead Free", Length=1.6mm, Military Standard=Not, Mount="Surface Mount", Number of Terminations=2, Packaging="Tape and Reel", Power Rating=100mW, Radiation Hardening=No, Reach SVHC Compliant=Yes, RoHS Compliant=Yes, Series=ERJ, Size Code=0603, Termination=SMD/SMT, Tolerance=1%, Voltage Rating (DC)=75V, Weight=7.1E-05oz, Width=0.8mm
R25 R63 R64 R107: library part CMP-2000-00213-2, "Chip Resistor, 120 Ohm, +/- 1%, 0.1 W, -55 to 155 degC, 0603 (1608 Metric), RoHS, Tape and Reel", Case Code (Imperial)=0603, Case Code (Metric)=1608, Manufacturer=Panasonic, Max Operating Temperature=155degC, Max Power Dissipation=100mW, Min Operating Temperature=-55degC, Package Description="2-Pin Surface Mount Device, Body 1.6 x 0.85 mm", Package Quantity=1, Resistance=120Ohm, Temperature Coefficient=100ppm/degreesC, Tolerance=1%, Voltage Rating=75V, Case/Package=0603, Composition=ThickFilm, Contact Plating=Tin, Datasheet URL=https://industrial.panasonic.com/cdbs/www-data/pdf/RDA0000/AOA0000C283.pdf, Datasheet Version=42095.0, Depth=0.8mm, Height=0.022inch, Lead Free=LeadFree, Length=1.6mm, Manufacturer URL=http://www.panasonic.com/, Military Standard=Not, Mount=SurfaceMount, Number of Pins=2, Number of Terminations=2, Package Reference=0603, Package URL=http://www.st.com/st-web-ui/static/active/en/resource/technical/document/datasheet/CD00001320.pdf, Packaging=TapeandReel, Power Rating=100mW, Radiation Hardening=No, REACH SVHC=NoSVHC, RoHSCompliant=true, Termination=SMD/SMT, Voltage Rating (DC)=75V, Width=0.031inch
R40: library part CMP-1012-00631-3, "Chip Resistor, 12 KOhm, +/- 1%, 0.1 W, -55 to 155 degC, 0603 (1608 Metric), RoHS, Tape and Reel", Case Code (Imperial)=0603, Case Code (Metric)=1608, Manufacturer=Panasonic, Max Operating Temperature=155degC, Max Power Dissipation=100mW, Min Operating Temperature=-55degC, Package Description="2-Pin Surface Mount Device, Body 1.6 x 0.85 mm", Package Quantity=1, Resistance=12KOhm, Temperature Coefficient=100ppm/degreesC, Tolerance=1%, Voltage Rating=75V, Case/Package=0603, Composition=ThickFilm, Contact Plating=Tin, Datasheet URL=https://industrial.panasonic.com/cdbs/www-data/pdf/RDA0000/AOA0000C283.pdf, Datasheet Version=42095.0, Depth=0.8mm, Height=0.022inch, Lead Free=LeadFree, Length=1.6mm, Manufacturer URL=http://www.panasonic.com/, Military Standard=Not, Mount=SurfaceMount, Number of Pins=2, Number of Terminations=2, Package Reference=0603, Package URL=http://www.st.com/st-web-ui/static/active/en/resource/technical/document/datasheet/CD00001320.pdf, Packaging=TapeandReel, Power Rating=100mW, Radiation Hardening=No, REACH SVHC=NoSVHC, RoHSCompliant=true, Termination=SMD/SMT, Voltage Rating (DC)=75V, Weight=7.1E-05oz, Width=0.031inch
R41 R50: library part CMP-2000-00180-1, Manufacturer=Panasonic, Part Number=ERJ-3EKF1001V
R47 R49: library part CMP-2000-00319-2, "RES SMD 200K OHM 1% 1/10W 0603", Case Code (Imperial)=0603, Case Code (Metric)=1608, Max Operating Temperature=155°C, Max Power Dissipation=100mW, Min Operating Temperature=-55°C, Package Quantity=1, Resistance=200kR, Resistance Tolerance=1%, Resistor Type="Thick Film", Temperature Coefficient=100ppm/°C, Voltage Rating=75V, Voltage Rating (DC)=50V, Case/Package=0603, Construction=Rectangular, Contact Plating=Tin, Depth=0.8mm, Features="Automotive AEC-Q200", Height=0.022inch, Lead Free="Lead Free", Length=1.6mm, Military Standard=Not, Mount="Surface Mount", Number of Terminations=2, Packaging="Cut Tape", Power Rating=100mW, Radiation Hardening=No, REACH SVHC="No SVHC", RoHS Compliant=Yes, Series=ERJ, Technology="THICK FILM", Termination=SMD/SMT, Tolerance=1%, Width=0.031inch, Working Voltage=75V
R60 R61 R62: library part CMP-009-00209-1, "READ THE NAME"
R65 R69 R73 R96: library part CMP-2000-00182-1, Manufacturer=Panasonic, Part Number=ERJ-3EKF1003V
R80 R88: library part CMP-2000-00389-1, Manufacturer=Panasonic, Part Number=ERJ3EKF2701V
R81 R83 R84 R85 R86 R89 R91 R92: library part CMP-2002-00965-2, "RES SMD 499 OHM 1% 1/10W 0402", Case Code (Imperial)=0402, Case Code (Metric)=1005, Max Operating Temperature=155°C, Max Power Dissipation=100mW, Min Operating Temperature=-55°C, Package Quantity=1, Resistance=499R, Resistance Tolerance=1%, Resistor Type="Thick Film", Temperature Coefficient=100ppm/°C, Voltage Rating=50V, Case/Package=0402, Construction=Rectangular, Contact Plating=Tin, Depth=0.5mm, Features="Automotive AEC-Q200", Height=0.35mm, Lead Free="Lead Free", Length=1mm, Military Standard=Not, Mount="Surface Mount", Number of Terminations=2, Packaging="Tape and Reel", Power Rating=100mW, REACH SVHC="No SVHC", RoHS Compliant=Yes, Series=ERJ, Size Code=0402, Technology="THICK FILM", Termination=SMD/SMT, Tolerance=1%, Voltage Rating (DC)=50V, Width=0.02inch
R93: library part CMP-2000-00542-1, Manufacturer=Panasonic, Part Number=ERJ3EKF5103V
R102: library part CMP-2000-00443-2, "RES SMD 33 OHM 1% 1/10W 0603", Case Code (Imperial)=0603, Case Code (Metric)=1608, Max Operating Temperature=155°C, Max Power Dissipation=100mW, Min Operating Temperature=-55°C, Package Quantity=1, Resistance=33R, Resistance Tolerance=1%, Resistor Type="Thick Film", Temperature Coefficient=100ppm/°C, Voltage Rating=75V, Case/Package=0603, Construction=Rectangular, Contact Plating=Tin, Depth=0.8mm, Features="Automotive AEC-Q200", Height=0.022inch, Lead Free="Lead Free", Length=1.6mm, Military Standard=Not, Mount="Surface Mount", Number of Pins=2, Number of Terminations=2, Packaging="Tape and Reel", Power Rating=100mW, Radiation Hardening=No, REACH SVHC="No SVHC", RoHS Compliant=Yes, Series=ERJ, Size Code=0603, Termination=SMD/SMT, Tolerance=1%, Voltage Rating (DC)=75V, Width=0.031inch
TP1 TP2 TP3 TP4 TP5 TP6 TP7 TP8 TP9: library part CMP-00028-00002-2, "0.6mm round", Pins=1
U1_CAMIF_1 U1_CAMIF_2: library part CMP-015-00011-2, "Quad Tunneling GMSL2/1 to CSI-2 Deserializer"
U2_CAMIF_1 U2_CAMIF_2 U11: library part CMP-0244-00308-1, "Fixed Low Drop Positive Voltage Regulator, 1.8V, 4-Pin SOT-223, Tape and Reel", ComponentLink1Description="Manufacturer URL", ComponentLink1URL=http://www.st.com, ComponentLink2Description=Datasheet, ComponentLink2URL=http://www.st.com/internet/com/TECHNICAL_RESOURCES/TECHNICAL_LITERATURE/DATASHEET/CD00000544.pdf, DatasheetVersion=1/11/2011, PackageDescription="4-Pin SOT-223 Package, 6.5 x 3.5 mm Body, 2.3 mm Pitch, 7 mm Lead Span", PackageReference=SOT-223, PackageVersion=2010
U3_CAMIF_1 U3_CAMIF_2 U7: library part CMP-0244-00318-1, "Fixed Low Drop Positive Voltage Regulator, 1.2V (pn is for 1.5A LDO), 4-Pin SOT-223, Tape and Reel", ComponentLink1Description="Manufacturer URL", ComponentLink1URL=http://www.st.com, ComponentLink2Description=Datasheet, ComponentLink2URL=http://www.st.com/internet/com/TECHNICAL_RESOURCES/TECHNICAL_LITERATURE/DATASHEET/CD00000544.pdf, DatasheetVersion=1/11/2011, PackageDescription="4-Pin SOT-223 Package, 6.5 x 3.5 mm Body, 2.3 mm Pitch, 7 mm Lead Span", PackageReference=SOT-223, PackageVersion=2010
U4: library part CMP-06284-000017-1, "IC HUB CTLR USB 56VQFN", Max Operating Temperature=70°C, Min Operating Temperature=0°C, Interface=USB, Lead Free="Lead Free", Packaging=Tray
U5 U6 U8 U9: library part CMP-019-00057-1, "IC PWR SW USB 1CH 1A SOT-25-5"
Y1_CAMIF_1 Y1_CAMIF_2 Y2: library part CMP-2000-05733-3, "Crystal 25MHz ±20ppm (Tol) ±30ppm (Stability) 18pF FUND 60Ω 4-Pin SMD T/R", Case/Package=CSMD, ESR (Equivalent Series Resistance)=60R, Frequency=25MHz, Frequency Stability=30ppm, Frequency Tolerance=20ppm, Load Capacitance=18pF, Max Operating Temperature=85°C, Min Operating Temperature=-40°C, Operating Frequency="25 MHz", Package Quantity=1000, Depth=2.5mm, Height=0.039inch, Lead Free="Lead Free", Length=3.2mm, Mount="Surface Mount", Number of Pins=4, Packaging="Tape and Reel", Radiation Hardening=No, Series=ABM8G, Series Resistance=60R, Termination=SMD/SMT, Tolerance=20ppm, Width=0.098inch
Y3: library part CMP-27762-001115-1, "XTAL OSC XO 32.7680KHZ CMOS SMD", Case/Package=CSMD, Frequency=32.768kHz, Frequency Stability=25ppm, Load Capacitance=15pF, Max Operating Temperature=85°C, Max Supply Current=3.5mA, Min Operating Temperature=-40°C, Min Supply Voltage=2.97V, Operating Supply Voltage=3.3V, Depth=2mm, Height=0.037inch, Lead Free="Lead Free", Length=2.5mm, Mount="Surface Mount", Number of Pins=4, Packaging="Tape and Reel", Radiation Hardening=No, Series=ASDK, Termination=SMD/SMT, Width=0.079inch

## Via types
v1: diameter 0.5, hole 0.3, TOP to BOTTOM, 244 vias
v2: diameter 0.5, hole 0.2, TOP to BOTTOM, 32 vias
v3: diameter 1, hole 0.6, TOP to BOTTOM, 8 vias
v4: diameter 5, hole 3, TOP to BOTTOM, 5 vias

## Nets (pads, with @x,y where several pads share a name; then routed paths per layer and width w, separated by ;. In a path a pad name is that pad's centre, name@x,y a point inside that pad or via, vN(x,y) a via of type N, cw(c..) or ccw(c..) an arc to the next point about the centre after c; other vN are vias at no path point)
2V_AUX: C42_CAMIF_1.2 C42_CAMIF_2.2 C43_CAMIF_1.2 C43_CAMIF_2.2 C78.2 R55.1 U2_CAMIF_1.3 U2_CAMIF_2.3 U3_CAMIF_1.3 U3_CAMIF_2.3 U7.3
3V3: C33_CAMIF_1.1 C33_CAMIF_2.1 C34_CAMIF_1.2 C34_CAMIF_2.2 C55.2 C56.2 C57.2 C58.2 C81.2 C104.1 C105.1 C106.1 C108.2 C109.2 C110.2 C111.2 C112.2 C113.2 C115.2 C125.2 D36.2 J7.2 J7.4 J7.12 J7.14 J7.16 J7.18 J7.70 J7.72 J7.74 R9_CAMIF_1.2 R9_CAMIF_2.2 R12_CAMIF_1.2 R12_CAMIF_2.2 R13_CAMIF_1.2 R13_CAMIF_2.2 R17_CAMIF_1.2 R17_CAMIF_2.2 R21_CAMIF_1.2 R21_CAMIF_2.2 R32.2 R37.2 R48.2 R51.2 R63.2 R64.2 R108.1 U1_CAMIF_1.24 U1_CAMIF_2.24 U4.16 U4.31 U4.44 U4.55 Y3.4 | length 45.1
  TOP w0.254: v1(44.667,115.493) 45.751,116.577 48.829,116.577 U4.31@49.29,117.037 ; v1(51.725,125.665) 51.725,122.538 U4.16@52.118,122.145 ; v1(53.65,110.31) 54.114,110.774 54.114,113.927 53.93,114.111 ; U4.55@56.935,117.328 58.511,115.752 v1(59.439,115.752) ; v1(84.245,109.825) 85.745,111.325 U1_CAMIF_2.24@86.37,111.325 ; v1(110.269,109.817) 111.769,111.317 U1_CAMIF_1.24@112.394,111.317
  BOTTOM w0.254: R32.2@45.331,110.083 R48.2@46.206,109.208 R51.2@47.081,108.333 ; R37.2@53,112.377 53,112.347 53.248,112.099 53.553,112.099 54.25,111.402 54.25,110.727 53.976,110.453 53.759,110.453 53.65,110.344 v1(53.65,110.31)
  BOTTOM w0.3: R9_CAMIF_2.2@80.195,109.075 80.245,109.125 81.22,109.125 R12_CAMIF_2.2@81.27,109.175 81.27,109.25 82.02,110 83.245,110 83.57,109.675 83.57,109.1 83.795,108.875 R17_CAMIF_2.2@83.845,108.875 R21_CAMIF_2.2@85.046,108.875 85.096,108.875 85.321,109.1 85.321,109.676 C33_CAMIF_2.1@85.438,109.794 ; R108.1@82.8,22.417 82.881,22.336 83.531,22.336 v1(83.613,22.254) ; v1(84.245,109.825) 84.276,109.794 C33_CAMIF_2.1@85.438,109.794 ; C33_CAMIF_2.1@85.52,109.763 85.488,109.794 C33_CAMIF_2.1@85.438,109.794 ; R9_CAMIF_1.2@106.219,109.067 106.269,109.117 107.244,109.117 R12_CAMIF_1.2@107.294,109.167 107.294,109.242 108.044,109.992 109.269,109.992 109.594,109.667 109.594,109.092 109.819,108.867 R17_CAMIF_1.2@109.869,108.867 R21_CAMIF_1.2@111.07,108.867 111.12,108.867 111.345,109.092 111.345,109.668 C33_CAMIF_1.1@111.463,109.786 ; v1(110.269,109.817) 110.3,109.786 C33_CAMIF_1.1@111.463,109.786 ; C33_CAMIF_1.1@111.544,109.755 111.513,109.786 C33_CAMIF_1.1@111.463,109.786
  other v1: 83.293,19.292 83.29,33.436 83.297,36.297 -13.675,101.875 6.6,142.942 29.45,142.975
3V3_AUX: R54.1 U8.5
5V_AUX: C59.1 C71.1 R43.1 R52.1 U5.5 U6.5
5V_MAIN: C85.1 C86.2 J1.251 J1.252 J1.253 J1.254 J1.255 J1.256 J1.257 J1.258 J1.259 J1.260 U9.5 | length 3.6
  TOP w0.5: C86.2@186.767,79.725 188.275,79.725 188.275,77.943 C85.1@188.493,77.725
ACT_LED: J7.10 R106.1
CAM0_PWDN: J1.116 R14_CAMIF_1.2
CAM1_PWDN: J1.120 R14_CAMIF_2.2